# Altium PCB XInC2 Dev - Placement v2.0 20210410.PcbDoc (part 1 of 2)
Units mil, origin at the board's own origin, x right, y up, seen from the top; angles counter-clockwise.
Board outline 2362.2 x 3149.61 mil, 2 copper layers (Top Layer, Bottom Layer), stack 65.792 mil thick; 102 components, 103 nets, 476 pads, 446 vias.
Unrouted connection lines stored in the file: 2.
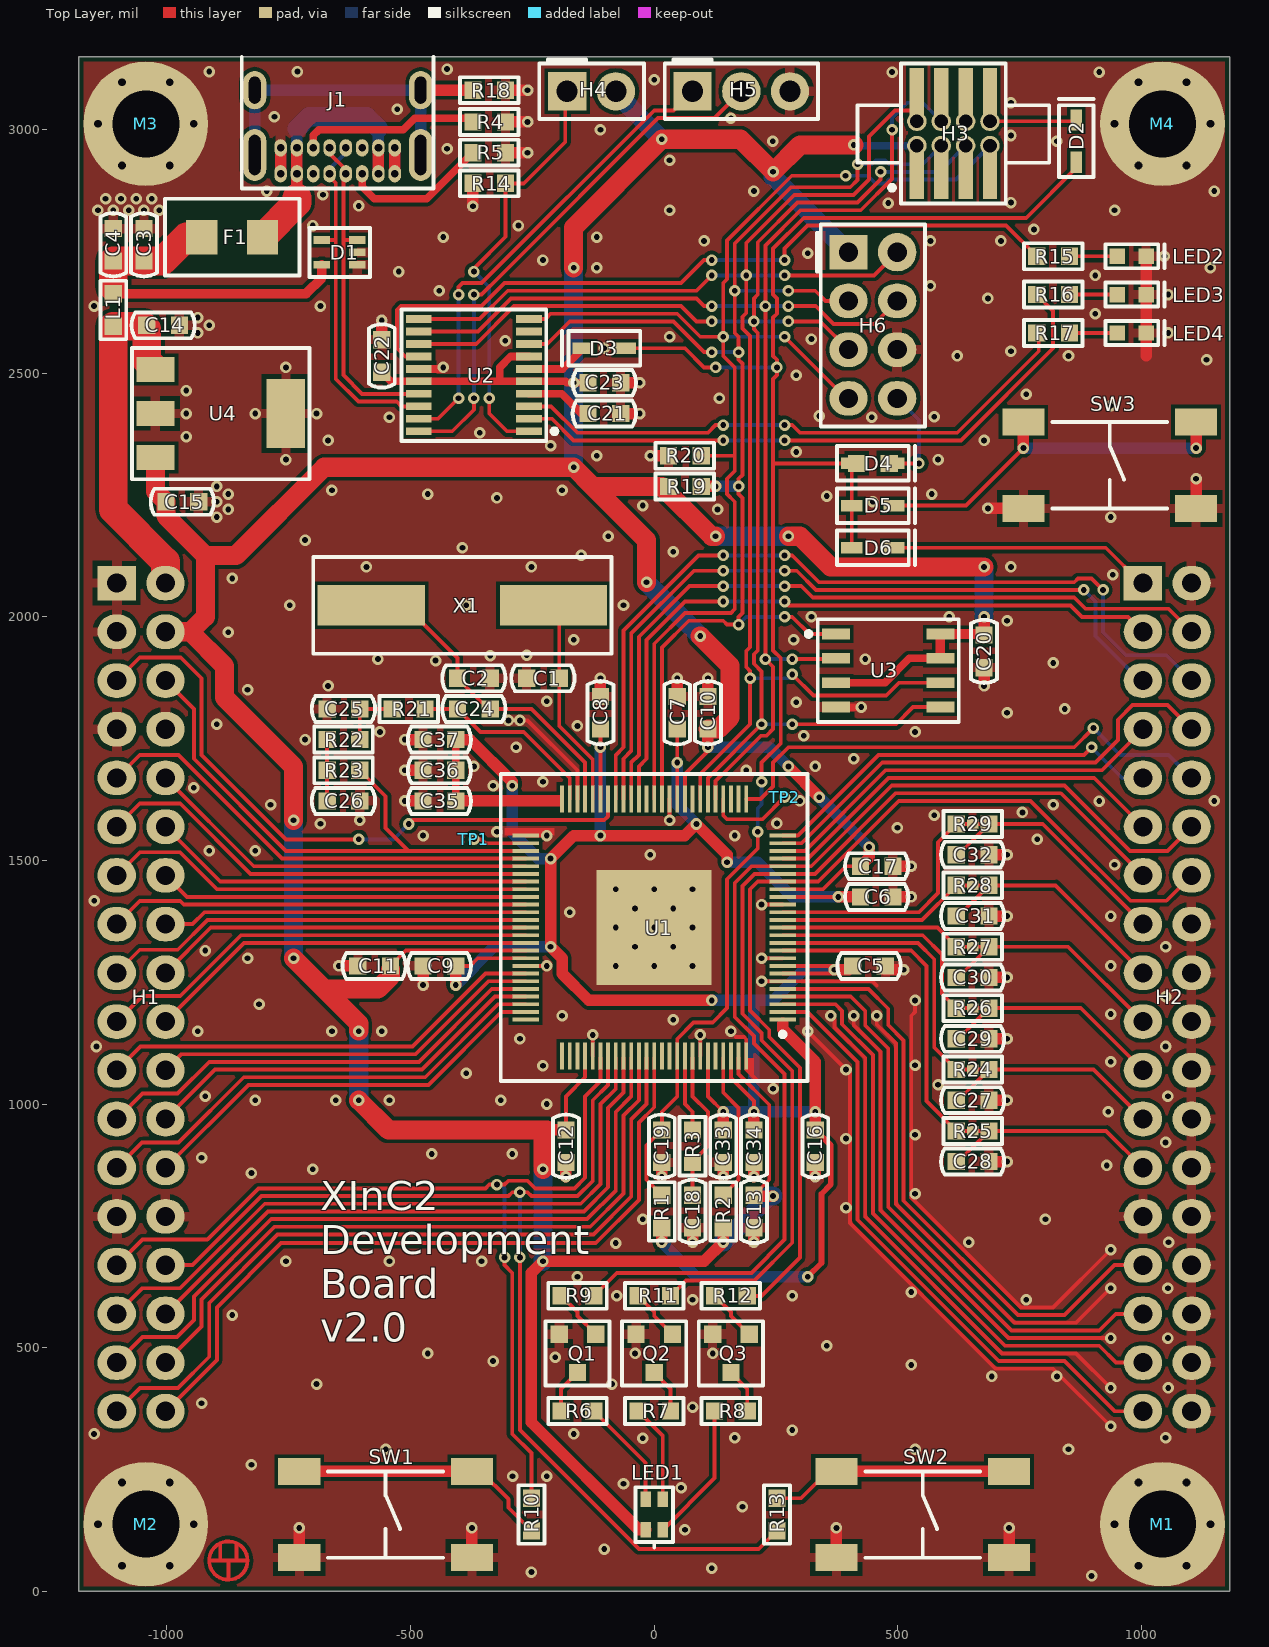
[diagram p0: Top Layer view]
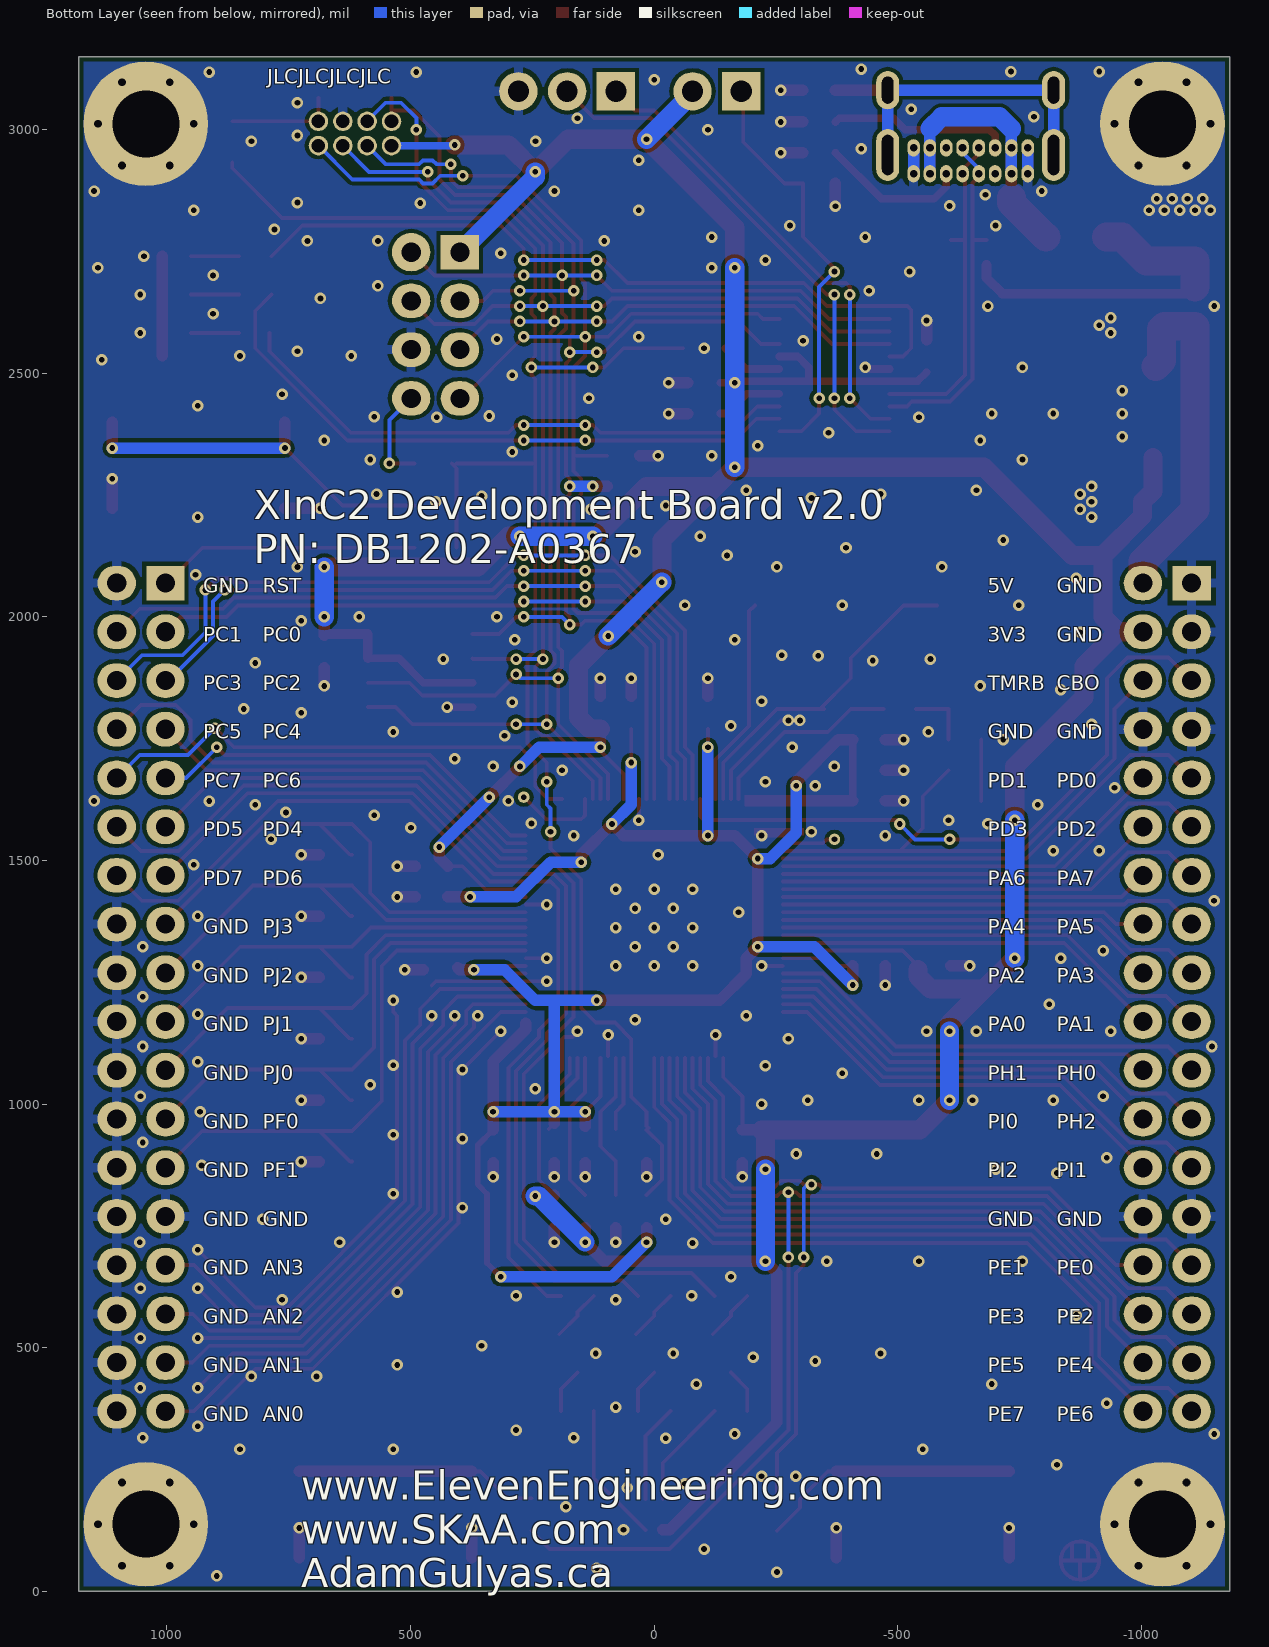
[diagram p1: Bottom Layer view, seen from below]
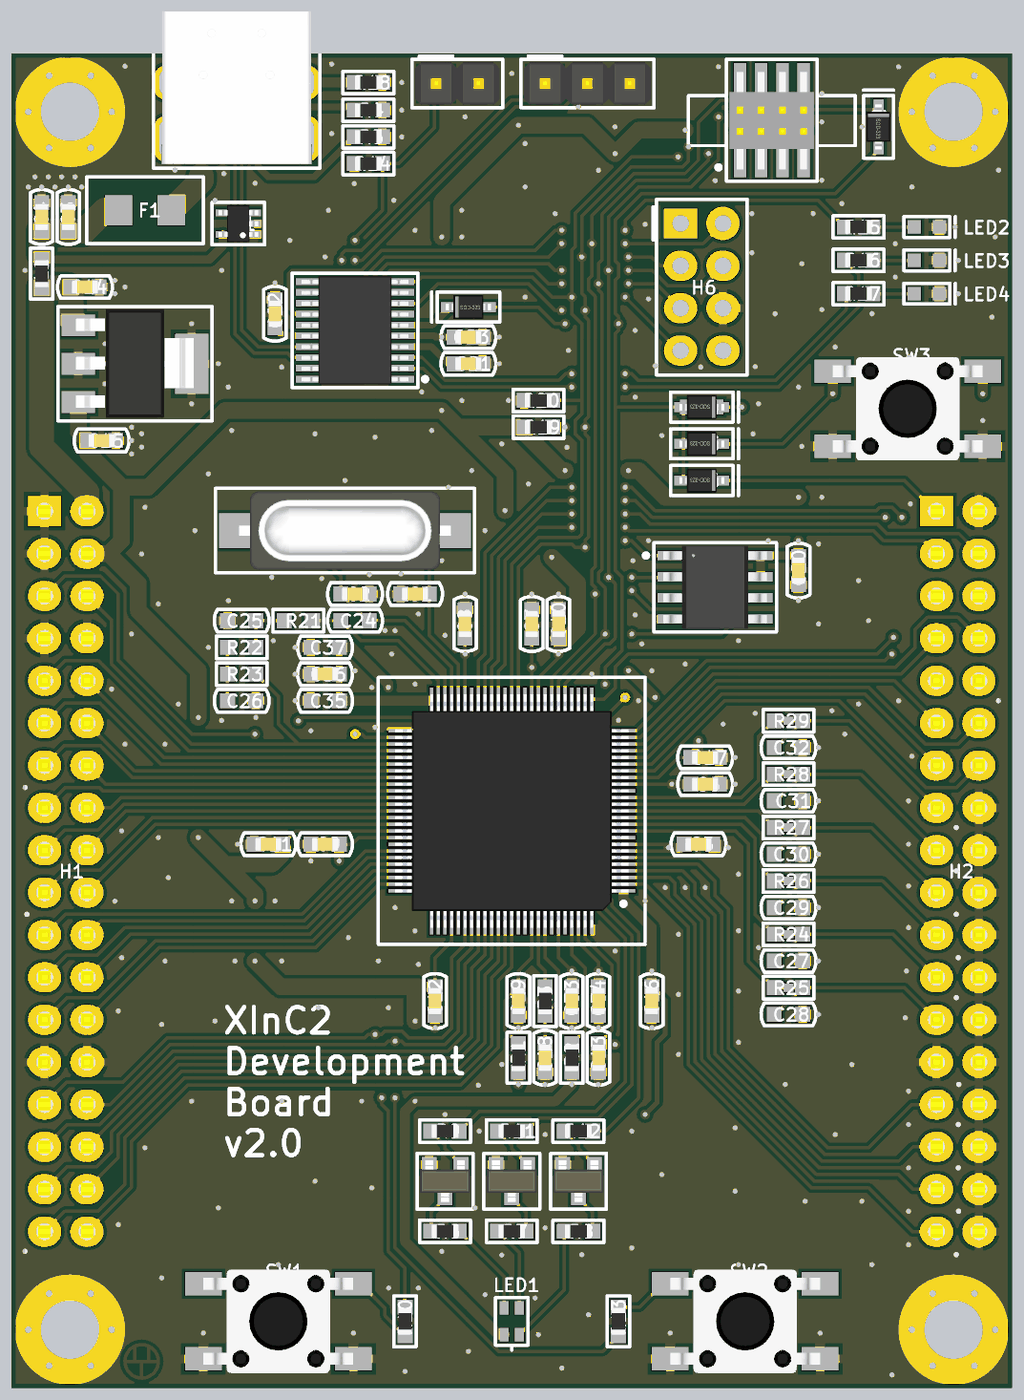
[diagram p3: 3D render of the assembled board from above, using the file's embedded part models]

## Layer stack, top to bottom
Top Solder: solder mask 0.4, Solder Resist, Dk 3.5
Top Layer: signal copper 1.4
Dielectric 1: dielectric 62.9921, FR-4, Dk 4.8
Bottom Layer: signal copper 1.4
Bottom Solder: solder mask 0.4, Solder Resist, Dk 3.5

## Board outline
-1181.1,0 1181.1,0 1181.1,3149.61 -1181.1,3149.61

## Design rules (kind name [scope] priority, off if disabled: settings)
Clearance Clearance_J1 [InComponent('J1') vs InComponent('J1')] p1: gap=6 ignorepadtopadclearanceinfootprint=FALSE
Clearance [All] p2: gap=7.87 ignorepadtopadclearanceinfootprint=FALSE
ComponentClearance [All] p1: gap=0 collisioncheckmode=3 verticalgap=10 showdistances=FALSE
HoleSize [All] p1: absolutevalues=TRUE maxlimit=157.48 minlimit=1 maxpercent=80.000 minpercent=20.000
MinimumSolderMaskSliver [All] p1: minsoldermaskwidth=3.94
PolygonConnect PolygonConnect_DirectConnect [InPadClass('DirectConnect') vs InNet('GND')] p1: connectstyle=Direct reliefconductorwidth=10 reliefentries=4 polygonreliefangle="90 Angle" airgapwidth=10
PolygonConnect [All] p2: thpad.connectstyle=Relief thpad.reliefconductorwidth=19.68 thpad.reliefentries=4 thpad.polygonreliefangle="90 Angle" thpad.airgapwidth=10 smdpad.connectstyle=Relief smdpad.reliefconductorwidth=19.68 smdpad.reliefentries=4 smdpad.polygonreliefangle="90 Angle" smdpad.airgapwidth=10 via.connectstyle=Direct via.reliefconductorwidth=10 via.reliefentries=4 via.polygonreliefangle="90 Angle" via.airgapwidth=10
RoutingVias [All] p1: holewidth=11.81 width=23.62 viastyle="Through Hole" minholewidth=11.81 minwidth=23.62 maxholewidth=28 maxwidth=50
SilkToSilkClearance [All] p1: silktosilkclearance=3.94
SilkToSolderMaskClearance [IsPad] p1: minsilkscreentomaskgap=4.72 clearancetoexposedcopper=TRUE
SolderMaskExpansion [All] p1: expansion=4
Width [All] p1: maxlimit=196.85 minlimit=7.87 preferedwidth=10 minimp=50.000000 maximp=50.000000 favimp=50.000000
25 further rules are at their usual default settings.

## Classes and differential pairs
pad class DIrectConnect: M1-1 M2-1 M3-1 M4-1 U1-0

## Components (designator, comment, footprint, x,y, rotation, side; value= is the part's Value field where it differs from the comment)
C1 "33pF" "0603 - C" -228.35,1874.02 r180 top
C2 "8.2pF" "0603 - C" -370.08,1874.02 r0 top
C3 "10nF" "0603 - C" -1047.24,2763.78 r90 top value=10000pF
C4 "100nF" "0603 - C" -1110.24,2763.78 r90 top value=0.1µF
C5 "100nF" "0603 - C" 440.94,1283.46 r0 top value=0.1µF
C6 "100nF" "0603 - C" 456.69,1425.2 r0 top value=0.1µF
C7 "100nF" "0603 - C" 47.24,1803.15 r90 top value=0.1µF
C8 "100nF" "0603 - C" -110.24,1803.15 r90 top value=0.1µF
C9 "100nF" "0603 - C" -440.94,1283.46 r180 top value=0.1µF
C10 "100nF" "0603 - C" 110.24,1803.15 r90 top value=0.1µF
C11 "100nF" "0603 - C" -574.8,1283.46 r180 top value=0.1µF
C12 "100nF" "0603 - C" -181.1,913.39 r270 top value=0.1µF
C13 "100nF" "0603 - C" 204.72,779.53 r270 top value=0.1µF
C14 "4.7µF" "0603 - C" -1007.87,2598.43 r0 top
C15 "4.7µF" "0603 - C" -968.5,2236.22 r0 top
C16 "100nF" "0603 - C" 330.71,913.39 r270 top value=0.1µF
C17 "100nF" "0603 - C" 456.69,1488.19 r0 top value=0.1µF
C18 "680pF" "0603 - C" 78.74,779.53 r90 top
C19 "100nF" "0603 - C" 15.75,913.39 r270 top value=0.1µF
C20 "100nF" "0603 - C" 677.17,1929.13 r270 top value=0.1µF
C21 "100nF" "0603 - C" -102.36,2417.32 r0 top value=0.1µF
C22 "10nF" "0603 - C" -559.06,2535.43 r90 top value=10000pF
C23 "100nF" "0603 - C" -102.36,2480.31 r0 top value=0.1µF
C24 "DNP" "0603 - C - DNP" -370.08,1811.02 r180 top
C25 "DNP" "0603 - C - DNP" -637.8,1811.02 r180 top
C26 "DNP" "0603 - C - DNP" -637.8,1622.05 r0 top
C27 "DNP" "0603 - C - DNP" 653.54,1007.87 r0 top
C28 "DNP" "0603 - C - DNP" 653.54,881.89 r0 top
C29 "DNP" "0603 - C - DNP" 653.54,1133.86 r0 top
C30 "DNP" "0603 - C - DNP" 653.54,1259.84 r0 top
C31 "DNP" "0603 - C - DNP" 653.54,1385.83 r0 top
C32 "DNP" "0603 - C - DNP" 653.54,1511.81 r0 top
C33 "100nF" "0603 - C" 141.73,913.39 r270 top value=0.1µF
C34 "100nF" "0603 - C" 204.72,913.39 r270 top value=0.1µF
C35 "DNP" "0603 - C - DNP" -440.94,1622.05 r180 top
C36 "100nF" "0603 - C" -440.94,1685.04 r180 top value=0.1µF
C37 "DNP" "0603 - C - DNP" -440.94,1748.03 r180 top
D1 "RCLAMP0503F" "SOT 353" -645.67,2748.03 r90 top
D2 "BAT46JFILM" "SOD 323" 866.14,2976.38 r90 top
D3 "BAT46JFILM" "SOD 323" -102.36,2551.18 r180 top
D4 "BAT46JFILM" "SOD 323 and 0603" 448.82,2314.96 r0 top
D5 "BAT46JFILM" "SOD 323" 448.82,2228.35 r0 top
D6 "BAT46JFILM" "SOD 323" 448.82,2141.73 r0 top
F1 "1.5A Slow" "Fuse - C1T Series" -866.14,2779.53 r180 top
H1 "SSQ-118-03-T-D" "H - 100mil - 2x18 - Stack - bottom insert" -1053.15,1219.29 r0 top
H2 "SSQ-118-03-T-D" "H - 100mil - 2x18 - Stack - bottom insert" 1053.15,1219.29 r0 top
H3 "XPD Header" "H - XPD" 614.17,2992.13 r90 top
H4 "H - 100mil - M - TH - 1x2" "H - 100mil - 1x2 - TH" -178.74,3078.74 r0 top
H5 "H - 100mil - M - TH - 1x3" "H - 100mil - 1x3 - TH" 78.74,3078.74 r0 top
H6 "H - 100mil - M - TH - 2x4" "H - 100MIL - 2X4 - TH - DNP" 448.82,2598.43 r0 top
J1 "USB 2.0 Type C TH" "JACK - USB C - 2.0 - TH" -649.61,3149.61 r180 top
L1 "BKP1608HS330" "0603 - R" -1110.24,2629.92 r270 top
LED1 "RGB" "LED - RGB - 0606" 0,157.48 r270 top
LED2 "Red" "LED - RED - 0603" 980.32,2740.16 r0 top locked
LED3 "Green" "LED - GREEN - 0603" 980.32,2661.42 r0 top
LED4 "Blue" "LED - BLUE - 0603" 980.32,2582.68 r0 top
M1 "Mech - Bolt Hole - M3" "Bolt Hole - M3" 1043.31,137.8 r0 top
M2 "Mech - Bolt Hole - M3" "Bolt Hole - M3" -1043.31,137.8 r0 top
M3 "Mech - Bolt Hole - M3" "Bolt Hole - M3" -1043.31,3011.81 r0 top
M4 "Mech - Bolt Hole - M3" "Bolt Hole - M3" 1043.31,3011.81 r0 top
Q1 "3904" "SOT 23 - NPN - MCC" -157.48,488.19 r180 top
Q2 "3904" "SOT 23 - NPN - MCC" 0,488.19 r180 top
Q3 "3904" "SOT 23 - NPN - MCC" 157.48,488.19 r180 top
R1 "10kΩ" "0603 - R" 15.75,779.53 r270 top value="10 kOhms"
R2 "51kΩ" "0603 - R" 141.73,779.53 r270 top value="51 kOhms"
R3 "51kΩ" "0603 - R" 78.74,913.39 r270 top value="51 kOhms"
R4 "5.1kΩ" "0603 - R" -338.58,3015.75 r180 top value="5.1 kOhms"
R5 "5.1kΩ" "0603 - R" -338.58,2952.76 r180 top value="5.1 kOhms"
R6 "100Ω" "0603 - R" -157.48,370.08 r180 top value="100 Ohms"
R7 "100Ω" "0603 - R" 0,370.08 r0 top value="100 Ohms"
R8 "100Ω" "0603 - R" 157.48,370.08 r180 top value="100 Ohms"
R9 "1kΩ" "0603 - R" -157.48,606.3 r180 top value="1 kOhms"
R10 "1kΩ" "0603 - R" -251.97,157.48 r270 top value="1 kOhms"
R11 "1kΩ" "0603 - R" 0,606.3 r180 top value="1 kOhms"
R12 "1kΩ" "0603 - R" 157.48,606.3 r180 top value="1 kOhms"
R13 "1kΩ" "0603 - R" 251.97,157.48 r90 top value="1 kOhms"
R14 "1kΩ" "0603 - R" -338.58,2889.76 r0 top value="1 kOhms"
R15 "100Ω" "0603 - R" 818.9,2740.16 r0 top value="100 Ohms"
R16 "100Ω" "0603 - R" 818.9,2661.42 r0 top value="100 Ohms"
R17 "100Ω" "0603 - R" 818.9,2582.68 r180 top value="100 Ohms"
R18 "0Ω" "0603 - R" -338.58,3081.1 r180 top value="0 Ohms"
R19 "10kΩ" "0603 - R" 62.99,2267.72 r180 top value="10 kOhms"
R20 "100kΩ" "0603 - R" 62.99,2330.71 r0 top value="100 kOhms"
R21 "DNP" "0603 - R - DNP" -503.94,1811.02 r180 top
R22 "DNP" "0603 - R - DNP" -637.8,1748.03 r180 top
R23 "DNP" "0603 - R - DNP" -637.8,1685.04 r0 top
R24 "0603 Shorted" "0603 - R - shorted jumper" 653.54,1070.87 r0 top value="0 Ohms"
R25 "0603 Shorted" "0603 - R - shorted jumper" 653.54,944.88 r0 top value="0 Ohms"
R26 "0603 Shorted" "0603 - R - shorted jumper" 653.54,1196.85 r0 top value="0 Ohms"
R27 "0603 Shorted" "0603 - R - shorted jumper" 653.54,1322.83 r0 top value="0 Ohms"
R28 "0603 Shorted" "0603 - R - shorted jumper" 653.54,1448.82 r0 top value="0 Ohms"
R29 "0603 Shorted" "0603 - R - shorted jumper" 653.54,1574.8 r0 top value="0 Ohms"
SW1 "Tact - NO" "SW - TACT - SMT" -551.18,157.48 r180 top
SW2 "Tact - NO" "SW - TACT - SMT" 551.18,157.48 r180 top
SW3 "Tact - NO" "SW - TACT - SMT" 935.04,2311.02 r180 top
TP1 "Signal" "TP - TH - 0.6mm" -370.08,1543.31 r0 top
TP2 "Signal" "TP - TH - 0.6mm" 267.72,1629.92 r0 top
U1 "XC1201-R3003" "XInC2 LQFP 100" 0,1362.2 r180 top
U2 "STM32F042F4P6" "TSSOP 20" -370.08,2496.06 r180 top
U3 "2 MBit Flash" "SOIC 8" 480.32,1889.76 r0 top
U4 "AP2114" "SOT 223" -889.76,2417.32 r270 top
X1 "24.576MHz" "X - HC-49/US" -393.7,2023.62 r180 top

## Footprints (in the part's own frame and the unit in brackets; to place one, negate y for a bottom-side part, rotate by r counter-clockwise, add the part's x,y. Pads: shape width x height; smd on the part's side, far side on the other; paste and mask are expansions set on the pad)
"0603 - C" [mm] "from Yageo R"
  rect 0.9x0.9 smd mask+0.05: 1(-0.85,0) 2(0.85,0)
  silkscreen extent -1.65,-0.67 1.65,0.67, body extent -0.8,-0.4 0.8,0.4, height 0.85
"0603 - C - DNP" [mm] "from Yageo R"
  rect 0.9x0.9 smd mask+0.05: 1(-0.85,0) 2(0.85,0)
  silkscreen extent -1.65,-0.67 1.65,0.67
"0603 - R" [mm] "from Yageo"
  rect 0.9x0.9 smd mask+0.05: 1(-0.85,0) 2(0.85,0)
  silkscreen extent -1.53,-0.67 1.53,0.67, body extent -0.8,-0.4 0.8,0.4, height 0.4
"0603 - R - DNP" [mm] "from Yageo"
  rect 0.9x0.9 smd mask+0.05: 1(-0.85,0) 2(0.85,0)
  silkscreen extent -1.53,-0.67 1.53,0.67
"0603 - R - shorted jumper" [mm] "from Yageo"
  rect 0.9x0.9 smd mask+0.05: 1(-0.85,0) 2(0.85,0)
  rect 0.6x0.5 smd mask+0.1: 1(0,0)
  silkscreen extent -1.53,-0.67 1.53,0.67
"Bolt Hole - M3" [mm]
  round 0.8 hole 0.4 mask+0.05: 1(-2.5,0) 1(-1.25,-2.165) 1(-1.25,2.165) 1(1.25,-2.165) 1(1.25,2.165) 1(2.5,0)
  round 6.5 hole 3.5 mask+0.05: 1(0,0)
"Fuse - C1T Series" [mm]
  rect 1.64x1.8 smd mask+0.05: 1(-1.58,-0.001) 2(1.58,0.001)
  silkscreen extent -3.5,-2 3.5,2, body extent -1.7,-0.89 1.7,0.89, height 0.83
"H - 100mil - 1x2 - TH" [mm] "generic"
  rect 2x2 hole 1.1 mask+0.05: 1(0,0)
  round 2 hole 1.1 mask+0.05: 2(2.54,0)
  silkscreen extent -1.45,-1.45 4,1.65, body extent -1.27,-1.27 3.81,1.27, height 9.5
"H - 100mil - 1x3 - TH" [mm] "generic"
  rect 2x2 hole 1.1 mask+0.05: 1(0,0)
  round 2 hole 1.1 mask+0.05: 2(2.54,0) 3(5.08,0)
  silkscreen extent -1.45,-1.45 6.54,1.65, body extent -1.27,-1.27 6.35,1.27, height 9.5
"H - 100MIL - 2X4 - TH - DNP" [mm] "generic"
  rect 2x1.8 hole 1 mask+0.05: 1(-1.27,3.81)
  round 2 hole 1 mask+0.05: 2(1.27,3.81)
  oval 2x1.8 hole 1 mask+0.05: 3(-1.27,1.27) 4(1.27,1.27) 5(-1.27,-1.27) 6(1.27,-1.27) 7(-1.27,-3.81) 8(1.27,-3.81)
  silkscreen extent -2.92,-5.27 2.72,5.26
"H - 100mil - 2x18 - Stack - bottom insert" [mm]
  rect 2x1.8 hole 1 mask+0.05: 1(-1.27,21.59)
  oval 2x1.8 hole 1 mask+0.05: 2(1.27,21.59) 3(-1.27,19.05) 4(1.27,19.05) 5(-1.27,16.51) 6(1.27,16.51) 7(-1.27,13.97) 8(1.27,13.97) 9(-1.27,11.43) 10(1.27,11.43) 11(-1.27,8.89) 12(1.27,8.89) 13(-1.27,6.35) 14(1.27,6.35) 15(-1.27,3.81) 16(1.27,3.81) 17(-1.27,1.27) 18(1.27,1.27) 19(-1.27,-1.27) 20(1.27,-1.27) 21(-1.27,-3.81) 22(1.27,-3.81) 23(-1.27,-6.35) 24(1.27,-6.35) 25(-1.27,-8.89) 26(1.27,-8.89) 27(-1.27,-11.43) 28(1.27,-11.43) 29(-1.27,-13.97) 30(1.27,-13.97) 31(-1.27,-16.51) 32(1.27,-16.51) 33(-1.27,-19.05) 34(1.27,-19.05) 35(-1.27,-21.59) 36(1.27,-21.59)
  body extent -2.48,-23.11 2.48,23.11, height 8.31
"H - XPD" [mil]
  rect 122.83x29.53 smd mask+1.97: 1(-73.43,75) 2(73.43,75) 3(-73.43,25) 4(73.43,25) 5(-73.43,-25) 6(73.43,-25) 7(-73.43,-75) 8(73.43,-75)
  round 40 hole 28 mask+1.97: 1(-25,75) 2(25,75) 3(-25,25) 4(25,25) 5(-25,-25) 6(25,-25) 7(-25,-75) 8(25,-75)
  silkscreen extent -144,-197 144,197, body extent -116,-100 114,100, height 170
"JACK - USB C - 2.0 - TH" [mm] "from 2073-USB4085-GF-ACT-ND"
  oval 1.2x2.7 hole 0.6 slot 2.1 at 90 deg mask+0.05: 0(-4.325,5.12) 0(4.325,5.12)
  oval 1.2x2 hole 0.6 slot 1.4 at 90 deg mask+0.05: 0(-4.325,1.74) 0(4.325,1.74)
  oval 0.65x0.9 hole 0.4 mask+0.05: A1(-2.975,6.1) A4(-2.125,6.1) A5(-1.275,6.1) A6(-0.425,6.1) A7(0.425,6.1) A8(1.275,6.1) A9(2.125,6.1) A12(2.975,6.1) B1(2.975,4.75) B4(2.125,4.75) B5(1.275,4.75) B6(0.425,4.75) B7(-0.425,4.75) B8(-1.275,4.75) B9(-2.125,4.75) B12(-2.975,4.75)
  silkscreen extent -5,0 5,6.88, body extent -4.52,-2.51 4.51,6.66, height 3.46
"LED - BLUE - 0603" [mm] "from 160-1436-1-ND"
  rect 0.8x0.8 smd mask+0.05: 1(-0.75,0) 2(0.75,0)
  silkscreen extent -1.38,-0.63 1.7,0.63, body extent -0.8,-0.4 0.8,0.4, height 0.8
"LED - GREEN - 0603" [mm] "from 160-1436-1-ND"
  rect 0.8x0.8 smd mask+0.05: 1(-0.75,0) 2(0.75,0)
  silkscreen extent -1.38,-0.63 1.7,0.63, body extent -0.8,-0.4 0.8,0.4, height 0.8
"LED - RED - 0603" [mm] "from 160-1436-1-ND"
  rect 0.8x0.8 smd mask+0.05: 1(-0.75,0) 2(0.75,0)
  silkscreen extent -1.38,-0.63 1.7,0.63, body extent -0.8,-0.4 0.8,0.4, height 0.8
"LED - RGB - 0606" [mm] "from 1080-1552-1-ND"
  rect 0.8x0.55 smd mask+0.05: 1(-0.8,-0.45) 2(-0.8,0.45) 3(0.8,0.45) 4(0.8,-0.45)
  silkscreen extent -1.43,-0.97 1.73,0.97, body extent -0.8,-0.8 0.8,0.8, height 0.35
"SOD 323" [mm]
  rect 1.1x0.6 smd mask+0.05: 1(-1.1,0) 2(1.1,0)
  silkscreen extent -1.88,-0.9 2.2,0.9, body extent -1.35,-0.72 1.35,0.72, height 1.14
"SOD 323 and 0603" [mm] "Can populate either a diode or resistor"
  rect 1.1x0.6 smd mask+0.05: 1(-1.1,0) 2(1.1,0)
  rect 0.9x0.9 smd mask+0.05: 1(-0.85,0) 2(0.85,0)
  silkscreen extent -1.88,-0.9 2.2,0.9, body extent -1.35,-0.72 1.35,0.72, height 1.14
"SOIC 8" [mil]
  rect 57.5x22 smd paste+0 mask+1.97: 1(-107.25,75) 2(-107.25,25) 3(-107.25,-25) 4(-107.25,-75) 5(107.25,-75) 6(107.25,-25) 7(107.25,25) 8(107.25,75)
  silkscreen extent -168,-105 145,105, body extent -122,-98 122,98, height 69
"SOT 23 - NPN - MCC" [mm] "from MMBT3904 datasheet"
  rect 0.9x0.9 smd mask+0.05: B(-0.95,-1) C(0,1) E(0.95,-1)
  silkscreen extent -1.68,-1.68 1.68,1.68, body extent -1.5,-1.25 1.5,1.25, height 1.1
"SOT 223" [mm]
  rect 1.3x2 smd mask+0.05: 1(-2.3,-3.4) 2(0,-3.4) 3(2.3,-3.4)
  rect 3.6x2 smd mask+0.05: 2(0,3.4)
  silkscreen extent -3.42,-4.62 3.42,4.62, body extent -3.25,-3.54 3.25,3.54, height 1.6
"SOT 353" [mm]
  rect 0.4x0.85 smd mask+0.05: 1(-0.65,-0.925) 2(0,-0.925) 3(0.65,-0.925) 4(0.65,0.925) 5(-0.65,0.925)
  silkscreen extent -1.28,-1.58 1.28,1.58, body extent -1.1,-1.2 1.1,1.2, height 1.1
"SW - TACT - SMT" [mm]
  rect 2.2x1.4 smd mask+0.05: 1(-4.5,2.25) 2(4.5,2.25) 3(-4.5,-2.25) 4(4.5,-2.25)
  silkscreen extent -3,-2.25 3,2.25, body extent -4.5,-3.1 4.5,3.1, height 4.39
"TP - TH - 0.6mm" [mm]
  round 0.6 hole 0.3 mask+0.05: 1(0,0)
"TSSOP 20" [mm] "from STM32F042F4P6"
  rect 1.35x0.4 smd mask+0.05: 1(-2.875,2.925) 2(-2.875,2.275) 3(-2.875,1.625) 4(-2.875,0.975) 5(-2.875,0.325) 6(-2.875,-0.325) 7(-2.875,-0.975) 8(-2.875,-1.625) 9(-2.875,-2.275) 10(-2.875,-2.925) 11(2.875,-2.925) 12(2.875,-2.275) 13(2.875,-1.625) 14(2.875,-0.975) 15(2.875,-0.325) 16(2.875,0.325) 17(2.875,0.975) 18(2.875,1.625) 19(2.875,2.275) 20(2.875,2.925)
  silkscreen extent -4.32,-3.42 3.77,3.42, body extent -3.21,-3.25 3.21,3.25, height 1.31
"X - HC-49/US" [mm] "from 535-15010-1-ND"
  rect 5.6x2.1 smd mask+0.05: 1(-4.75,0) 2(4.75,0)
  silkscreen extent -7.78,-2.52 7.78,2.53, body extent -6.35,-2.35 6.35,2.35, height 4.2
"XInC2 LQFP 100" [mm] "3D model is TQFP, not LQFP"
  rrect0% 6x6 smd: 0(0,0)
  rect 1.4x0.2 smd: 1(-6.7,4.8) 2(-6.7,4.4) 3(-6.7,4) 4(-6.7,3.6) 5(-6.7,3.2) 6(-6.7,2.8) 7(-6.7,2.4) 8(-6.7,2) 9(-6.7,1.6) 10(-6.7,1.2) 11(-6.7,0.8) 12(-6.7,0.4) 13(-6.7,0) 14(-6.7,-0.4) 15(-6.7,-0.8) 16(-6.7,-1.2) 17(-6.7,-1.6) 18(-6.7,-2) 19(-6.7,-2.4) 20(-6.7,-2.8) 21(-6.7,-3.2) 22(-6.7,-3.6) 23(-6.7,-4) 24(-6.7,-4.4) 25(-6.7,-4.8) 51(6.7,-4.8) 52(6.7,-4.4) 53(6.7,-4) 54(6.7,-3.6) 55(6.7,-3.2) 56(6.7,-2.8) 57(6.7,-2.4) 58(6.7,-2) 59(6.7,-1.6) 60(6.7,-1.2) 61(6.7,-0.8) 62(6.7,-0.4) 63(6.7,0) 64(6.7,0.4) 65(6.7,0.8) 66(6.7,1.2) 67(6.7,1.6) 68(6.7,2) 69(6.7,2.4) 70(6.7,2.8) 71(6.7,3.2) 72(6.7,3.6) 73(6.7,4) 74(6.7,4.4) 75(6.7,4.8)
  rect 0.2x1.4 smd: 26(-4.8,-6.7) 27(-4.4,-6.7) 28(-4,-6.7) 29(-3.6,-6.7) 30(-3.2,-6.7) 31(-2.8,-6.7) 32(-2.4,-6.7) 33(-2,-6.7) 34(-1.6,-6.7) 35(-1.2,-6.7) 36(-0.8,-6.7) 37(-0.4,-6.7) 38(0,-6.7) 39(0.4,-6.7) 40(0.8,-6.7) 41(1.2,-6.7) 42(1.6,-6.7) 43(2,-6.7) 44(2.4,-6.7) 45(2.8,-6.7) 46(3.2,-6.7) 47(3.6,-6.7) 48(4,-6.7) 49(4.4,-6.7) 50(4.8,-6.7) 76(4.8,6.7) 77(4.4,6.7) 78(4,6.7) 79(3.6,6.7) 80(3.2,6.7) 81(2.8,6.7) 82(2.4,6.7) 83(2,6.7) 84(1.6,6.7) 85(1.2,6.7) 86(0.8,6.7) 87(0.4,6.7) 88(0,6.7) 89(-0.4,6.7) 90(-0.8,6.7) 91(-1.2,6.7) 92(-1.6,6.7) 93(-2,6.7) 94(-2.4,6.7) 95(-2.8,6.7) 96(-3.2,6.7) 97(-3.6,6.7) 98(-4,6.7) 99(-4.4,6.7) 100(-4.8,6.7)
  silkscreen extent -8,-8 8,8, body extent -7,-7 7,7, height 1.2